# Altium PCB Блок 1а (БУ АРМ).PcbDoc (part 3 of 4)
Units mm, origin at the board's own origin, x right, y up, seen from the top; angles counter-clockwise.
Board outline 220 x 306 mm, 6 copper layers (Top Layer, Top, Internal Plane 1, gnd, Mid-Layer 1, int1, Layer 1, Layer 2, Bottom Layer), stack 2.063 mm thick; 441 components, 363 nets, 1411 pads, 551 vias.
Unrouted connection lines stored in the file: 221.
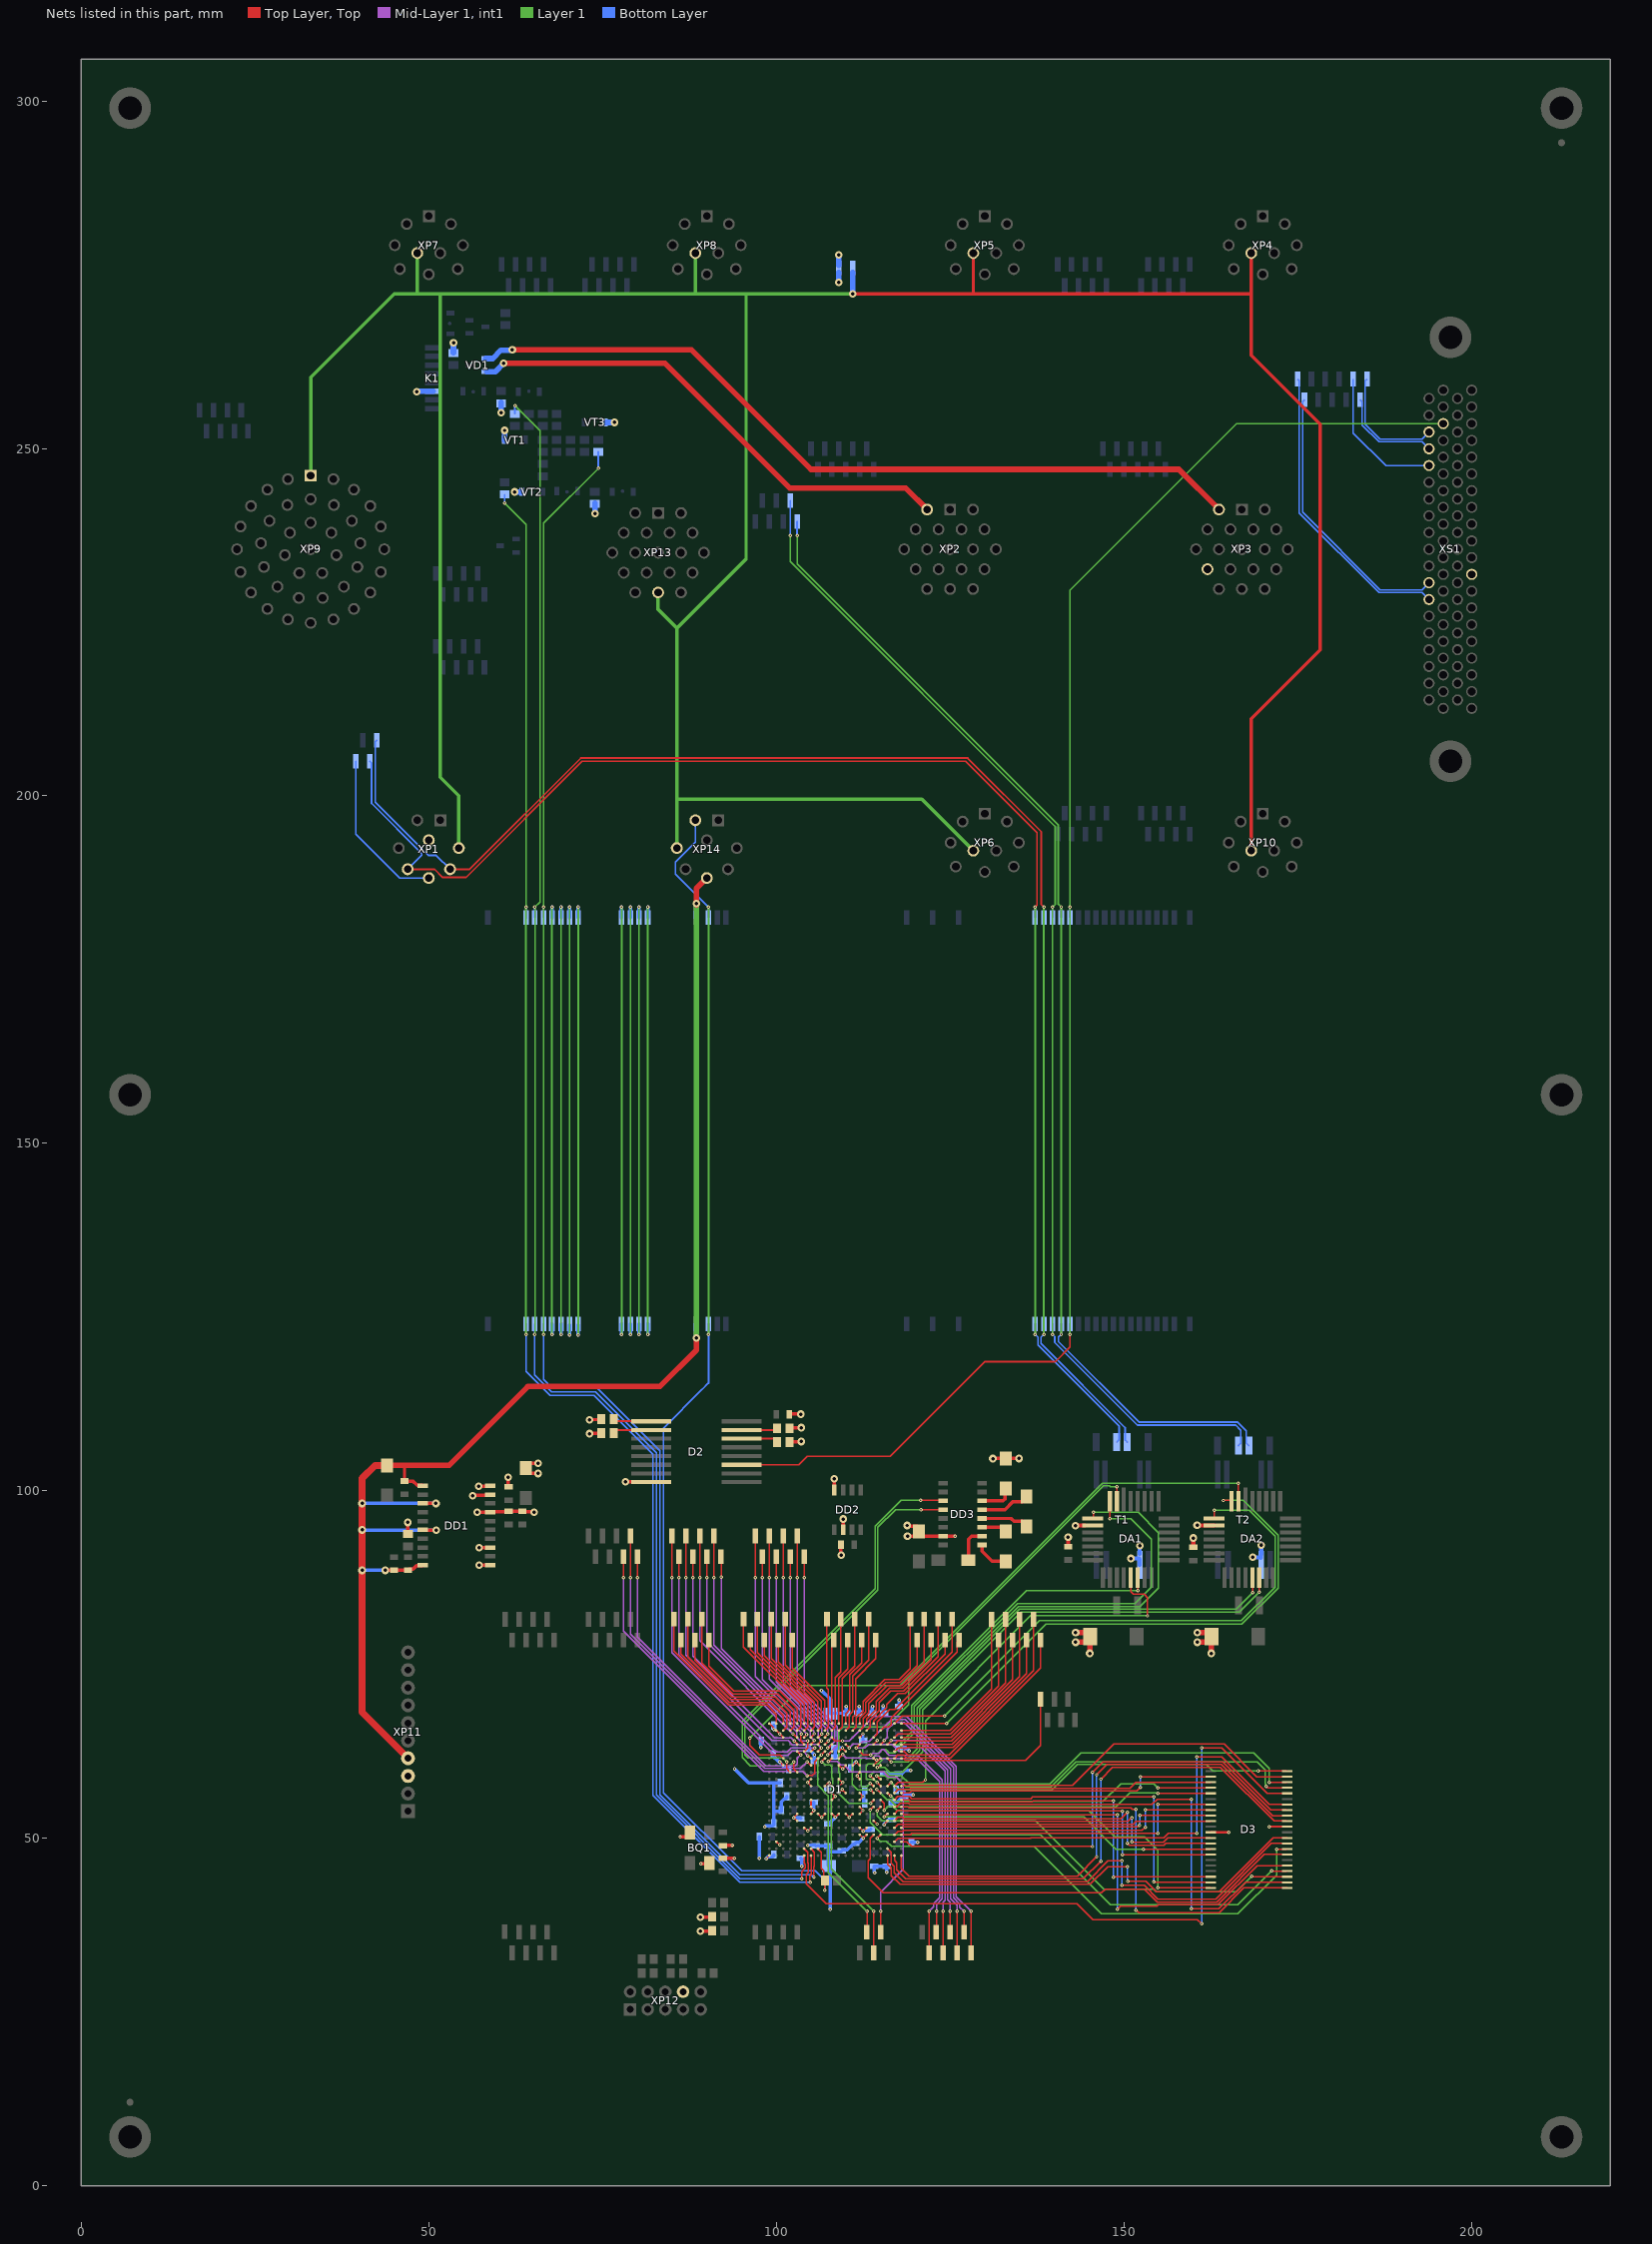
[diagram p7: the nets of this part, all layers, seen from the top]

## Via types
v1: diameter 0.5, hole 0.2, Top Layer, Top to Bottom Layer, tented both sides, 339 vias
v2: diameter 1.1, hole 0.5, Top Layer, Top to Bottom Layer, 100 vias
v3: diameter 0.5, hole 0.2, Top Layer, Top to Bottom Layer, 90 vias
v4: diameter 1.1, hole 0.5, Top Layer, Top to Bottom Layer, tented both sides, 22 vias

## Nets (pads, with @x,y where several pads share a name; then routed paths per layer and width w, separated by ;. In a path a pad name is that pad's centre, name@x,y a point inside that pad or via, vN(x,y) a via of type N, cw(c..) or ccw(c..) an arc to the next point about the centre after c; other vN are vias at no path point) (continued)
ETH_TST_4+: X170.1 XS1.66 | length 43.2
  Bottom Layer w0.2: X170.1@175,260 175.25,259.75 175.25,240.729 186.707,229.272 192.923,229.272 XS1.66@193.925,228.27
ETH_TST_4-: X171.1 XS1.67 | length 39.5
  Bottom Layer w0.2: X171.1@176,257 175.714,256.714 175.714,240.846 186.888,229.672 192.917,229.672 XS1.67@193.925,230.68
EXT_A0: D1.P20 D3.5 | length 71.7
  Top Layer, Top w0.2: D1.P20@118,53.5 118.017,53.483 118.283,53.483 118.408,53.357 v1(149.1,53.357) ; v1(149.1,39.8) 149.5,40.2 154.767,40.2 154.962,40.396 163.527,40.396 169.181,46.05 173.45,46.05 D3.5@173.475,46.075
  Bottom Layer w0.2: v1(149.1,39.8) v1(149.1,53.357)
EXT_A1: D1.N16 D3.4 | length 69.2
  Top Layer, Top w0.2: v1@113.592,54.136 113.614,54.136 113.978,54.5 D1.N16@114,54.5 ; v1(171.3,45.3) 171.325,45.275 D3.4@173.475,45.275
  Layer 1 w0.2: v1(113.525,54.05) 113.525,52.264 115.275,50.515 137.985,50.515 148.1,40.4 166.4,40.4 v1(171.3,45.3)
EXT_A2: D1.N17 D3.3 | length 65.9
  Top Layer, Top w0.2: v1@114.477,53.935 114.477,53.956 115,54.479 D1.N17@115,54.5 ; v1(168.405,44.495) 168.425,44.475 D3.3@173.475,44.475
  Layer 1 w0.2: v1(114.5,53.925) 114.5,53.226 115.21,52.515 137.285,52.515 147.111,42.689 154.318,42.689 154.698,42.309 166.209,42.309 168.395,44.495 v1(168.405,44.495)
EXT_A3: D1.N19 D3.2 | length 74.4
  Top Layer, Top w0.2: D1.N19@117,54.5 117.302,54.5 117.505,54.703 117.505,54.705 117.795,54.995 119.024,54.995 119.169,54.85 154.05,54.85 154.8,55.6 v1(159.7,55.6) ; v1(159.733,39.846) 163.694,39.846 167.524,43.675 173.475,43.675 D3.2@173.5,43.65
  Bottom Layer w0.2: v1(159.7,55.6) 159.716,55.584 159.716,39.862 v1(159.733,39.846)
EXT_A4: D1.N20 D3.1 | length 71.8
  Top Layer, Top w0.2: D1.N20@118,54.5 118.953,54.5 119.053,54.4 151.022,54.4 151.254,54.168 v1(151.72,54.168) ; v1(151.735,39.65) 151.805,39.65 152.159,39.296 163.71,39.296 167.289,42.875 173.475,42.875 D3.1@173.5,42.85
  Bottom Layer w0.2: v1(151.72,54.168) 151.725,54.164 151.725,39.661 v1(151.735,39.65)
EXT_A5: D1.M17 D3.44 | length 57.1
  Top Layer, Top w0.2: D1.M17@115,55.5 115.495,55.005 115.495,53.913 v1@115.5,53.908 ; v1(154.926,42.859) 154.935,42.85 D3.44@162.5,42.85
  Layer 1 w0.2: v1(115.5,54) 116.119,54.619 116.742,54.619 117.454,53.907 144.992,53.907 148.699,50.2 152.971,50.2 154.926,48.245 v1(154.926,42.859)
EXT_A6: D1.M19 D3.43 | length 58.3
  Top Layer, Top w0.2: D1.M19@117,55.5 117.495,55.995 119.155,55.995 119.464,55.686 136.624,55.686 136.888,55.95 v1(154.311,55.95) ; v1(154.3,43.7) 154.325,43.675 162.475,43.675 D3.43@162.5,43.65
  Bottom Layer w0.2: v1(154.3,43.7) 154.35,43.75 154.35,55.911 v1(154.311,55.95)
EXT_A7: D1.M20 D3.42 | length 55.7
  Top Layer, Top w0.2: D1.M20@118,55.5 119.085,55.5 119.335,55.25 136.86,55.25 136.961,55.35 148.446,55.35 v1(148.496,55.4) ; v1(148.5,44.4) 148.525,44.425 162.475,44.425 D3.42@162.5,44.45
  Bottom Layer w0.2: v1(148.496,55.4) 148.5,55.396 v1(148.5,44.4)
EXT_A8: D1.L17 D3.27 | length 50.8
  Top Layer, Top w0.2: v1@114.456,57.044 D1.L17@115,56.5 ; v1(154.926,56.459) 154.935,56.45 D3.27@162.5,56.45
  Layer 1 w0.2: v1(114.475,57) 115.95,55.525 116.402,55.525 117.427,54.5 148.863,54.5 150.863,56.5 154.885,56.5 v1(154.926,56.459)
  Bottom Layer w0.2: v1@114.392,57.108 v1@114.456,57.044
EXT_A9: D1.L18 D3.26 | length 48.4
  Top Layer, Top w0.2: D1.L18@116,56.5 116.022,56.5 116.48,56.041 v1@116.502,56.041 ; v1(154.926,57.259) 154.935,57.25 D3.26@162.5,57.25
  Layer 1 w0.2: v1(116.45,56.075) 117.239,55.286 147.013,55.286 149.577,57.85 154.335,57.85 v1(154.926,57.259)
EXT_A10: D1.L19 D3.25 | length 46.1
  Top Layer, Top w0.2: D1.L19@117,56.5 117.505,57.005 119.1,57.005 119.15,57.055 119.168,57.055 119.299,57.186 150.886,57.186 151.75,58.05 D3.25@162.5,58.05
EXT_A11: D1.L20 D3.24 | length 46.4
  Top Layer, Top w0.2: D1.L20@118,56.5 119.178,56.5 119.464,56.786 151.886,56.786 v1(152.4,57.3) ; v1(152.4,58.8) 152.425,58.825 162.475,58.825 D3.24@162.5,58.85
  Bottom Layer w0.2: v1(152.4,57.3) v1(152.4,58.8)
EXT_A12: D1.K18 D3.22 | length 60.1
  Top Layer, Top w0.2: D1.K18@116,57.5 116.492,57.992 116.492,58.085 v1@116.5,58.093 ; v1(169.317,59.679) 169.332,59.664 173.464,59.664 D3.22@173.47,59.67
  Layer 1 w0.2: v1(116.5,58) 117.517,56.983 139.682,56.983 143.3,60.6 161.897,60.6 162.818,59.679 v1(169.317,59.679)
EXT_A13: D1.K20 D3.21 | length 60
  Top Layer, Top w0.2: D1.K20@118,57.5 119.047,57.5 119.133,57.586 142.632,57.586 148.596,63.55 164.45,63.55 169.15,58.85 D3.21@173.5,58.85
EXT_A14: D1.J16 D3.20 | length 66.4
  Top Layer, Top w0.2: v1(113.5,59.002) D1.J16@114,58.5 ; v1(170.946,58.04) 170.951,58.045 173.445,58.045 D3.20@173.47,58.07
  Layer 1 w0.2: v1(113.5,59.002) 114.018,59.52 115.711,59.52 116.176,59.055 117.909,59.055 119.181,57.783 139.351,57.783 143.835,62.267 168.711,62.267 170.946,60.032 v1(170.946,58.04)
EXT_A15: D1.J17 D3.19 | length 64.8
  Top Layer, Top w0.2: v1(114.442,58.97) 114.486,58.97 114.956,58.5 D1.J17@115,58.5 ; v1(170.478,57.437) 170.559,57.437 170.746,57.25 173.45,57.25 D3.19@173.466,57.266
  Layer 1 w0.2: v1(114.442,58.97) 115.696,58.97 116.011,58.655 117.406,58.655 118.678,57.383 139.516,57.383 143.134,61 169.177,61 170.324,59.853 170.324,57.884 170.421,57.787 170.421,57.494 v1(170.478,57.437)
EXT_A16: D1.U6 D3.18 | length 105
  Top Layer, Top w0.2: D1.U6@104,48.5 104.505,47.995 104.505,46.462 104.6,46.367 104.6,45.068 104.301,44.769 104.301,43.444 107.195,40.55 143.284,40.55 145.534,38.3 160.6,38.3 v1(161.2,37.7) ; v1(161.2,63) 164.137,63 170.667,56.47 D3.18@173.47,56.47
  Bottom Layer w0.2: v1(161.2,37.7) v1(161.2,63)
EXT_D0: D1.S16 D3.7 | length 71.5
  Top Layer, Top w0.2: D1.S16@114,50.5 113.495,49.995 113.495,47.039 113.2,46.744 113.2,44.3 115.35,42.15 146.816,42.15 147.355,42.689 152.934,42.689 154.828,40.796 163.361,40.796 170.216,47.65 D3.7@173.45,47.65
EXT_D1: D1.S17 D3.8 | length 70.2
  Top Layer, Top w0.2: v1@114.536,50.036 D1.S17@115,50.5 ; v1(172,48.4) 172.025,48.425 173.425,48.425 D3.8@173.475,48.475
  Layer 1 w0.2: v1(114.5,50) 114.915,49.585 115.838,49.585 116.623,48.8 137.1,48.8 146.8,39.1 166.4,39.1 172,44.7 v1(172,48.4)
EXT_D2: D1.U18 D3.9 | length 69.8
  Top Layer, Top w0.2: D1.U18@116,48.5 116.495,48.005 116.495,46.387 116.94,45.942 116.94,45.06 118.25,43.75 144.75,43.75 147.75,46.75 149.696,46.75 v1(149.727,46.719) ; v1(149.75,43.25) 152.939,43.25 154.939,41.25 163.25,41.25 171.25,49.25 D3.9@173.5,49.25
  Bottom Layer w0.2: v1(149.727,46.719) 149.739,46.708 149.739,43.261 v1(149.75,43.25)
EXT_D3: D1.V18 D3.10 | length 67.5
  Top Layer, Top w0.2: D1.V18@116,47.5 116,46.277 116.54,45.737 116.54,44.624 117.814,43.35 145.15,43.35 147.7,45.9 v1(150.5,45.9) ; v1(150.56,43.8) 153.207,43.8 154.698,42.309 163.744,42.309 171.484,50.05 D3.10@173.5,50.05
  Bottom Layer w0.2: v1(150.5,45.9) 150.53,45.87 150.53,43.83 v1(150.56,43.8)
EXT_D4: D1.V19 D3.13 | length 75.6
  Top Layer, Top w0.2: D1.V19@117,47.5 117,46.792 117.34,46.452 117.34,45.458 118.647,44.15 144.15,44.15 v1(146.7,46.7) ; v1(146.7,58.5) 148.4,60.2 163.896,60.2 171.622,52.475 D3.13@173.475,52.475
  Bottom Layer w0.2: v1(146.7,46.7) v1(146.7,58.5)
EXT_D5: D1.V20 D3.14 | length 74.3
  Top Layer, Top w0.2: D1.V20@118,47.5 118,45.7 119.15,44.55 143.35,44.55 v1(146.1,47.3) ; v1(146.1,59.1) 147.6,60.6 164.062,60.6 171.412,53.25 D3.14@173.45,53.25
  Bottom Layer w0.2: v1(146.1,47.3) v1(146.1,59.1)
EXT_D6: D1.T20 D3.15 | length 69.9
  Top Layer, Top w0.2: D1.T20@118,49.5 118.015,49.484 118.757,49.484 119.441,48.8 v1(145.5,48.8) ; v1(145.5,59.5) 147,61 164.228,61 171.178,54.05 D3.15@173.45,54.05
  Bottom Layer w0.2: v1(145.5,48.8) v1(145.5,59.5)
EXT_D7: D1.T19 D3.16 | length 70.8
  Top Layer, Top w0.2: D1.T19@117,49.5 117.505,50.005 136.605,50.005 136.65,50.05 155.75,50.05 156.4,50.7 v1(160.5,50.7) ; v1(160.49,61.717) 164.077,61.717 170.944,54.85 D3.16@173.45,54.85
  Bottom Layer w0.2: v1(160.49,61.717) 160.5,61.707 v1(160.5,50.7)
EXT_D8: D1.S20 D3.29 | length 48.7
  Top Layer, Top w0.2: D1.S20@118,50.5 118.017,50.517 119.317,50.517 119.5,50.7 v1(154.9,50.7) ; v1(154.926,54.85) D3.29@162.5,54.85
  Bottom Layer w0.2: v1(154.9,50.7) 154.913,50.713 154.913,54.837 v1(154.926,54.85)
EXT_D9: D1.S19 D3.30 | length 48.4
  Top Layer, Top w0.2: D1.S19@117,50.5 117.505,51.005 118.205,51.005 118.3,51.1 152.601,51.1 153.085,51.584 v1(153.087,51.584) ; v1(153.11,54.057) 153.113,54.054 162.496,54.054 D3.30@162.5,54.05
  Bottom Layer w0.2: v1(153.087,51.584) 153.098,51.596 153.098,54.046 v1(153.11,54.057)
EXT_D10: D1.R20 D3.31 | length 46.1
  Top Layer, Top w0.2: D1.R20@118,51.5 118.051,51.5 118.156,51.605 151.953,51.605 152.193,51.846 v1(152.275,51.846) ; v1(152.323,53.305) 152.351,53.278 162.472,53.278 D3.31@162.5,53.25
  Bottom Layer w0.2: v1(152.275,51.846) 152.299,51.87 152.299,53.281 v1(152.323,53.305)
EXT_D11: D1.R19 D3.32 | length 45.9
  Top Layer, Top w0.2: D1.R19@117,51.5 117.505,52.005 151.359,52.005 151.773,52.419 162.469,52.419 D3.32@162.5,52.45
EXT_D12: D1.Q20 D3.35 | length 48.4
  Top Layer, Top w0.2: D1.Q20@118,52.5 118.036,52.464 118.17,52.464 118.227,52.407 150.6,52.407 151.092,52.9 v1(151.17,52.9) ; v1(151.17,49.5) 151.225,49.445 155.71,49.445 156.316,50.05 D3.35@162.5,50.05
  Bottom Layer w0.2: v1(151.17,49.5) v1(151.17,52.9)
EXT_D13: D1.Q19 D3.36 | length 50.9
  Top Layer, Top w0.2: D1.Q19@117,52.5 117.495,52.995 118.205,52.995 118.392,52.807 149.57,52.807 v1(150.5,53.737) ; v1(150.488,49.297) 150.835,48.95 155.781,48.95 156.081,49.25 D3.36@162.5,49.25
  Bottom Layer w0.2: v1(150.488,49.297) 150.5,49.309 v1(150.5,53.737)
EXT_D14: D1.P18 D3.37 | length 49.6
  Top Layer, Top w0.2: v1(115.5,53.065) 115.532,53.065 115.967,53.5 D1.P18@116,53.5 ; v1(152.8,48.4) 152.825,48.425 162.475,48.425 D3.37@162.5,48.45
  Layer 1 w0.2: v1(115.5,53.065) 115.515,53.05 144.25,53.05 148.9,48.4 v1(152.8,48.4)
EXT_D15: D1.P19 D3.38 | length 52
  Top Layer, Top w0.2: D1.P19@117,53.5 117.495,53.995 118.205,53.995 118.292,53.907 149.752,53.907 v1(149.809,53.85) ; v1(149.802,47.646) 149.804,47.648 162.498,47.648 D3.38@162.5,47.65
  Bottom Layer w0.2: v1(149.802,47.646) 149.806,47.65 149.806,53.847 v1(149.809,53.85)
EXT_GND: X178.1 XS1.74 | length 20.7
  Bottom Layer w0.2: X178.1@183,260 183,252.235 187.735,247.5 XS1.74@193.925,247.5
EXT_RXD: X180.1 XS1.76 | length 17.1
  Bottom Layer w0.2: X180.1@185,260 184.754,259.754 184.754,253.496 186.888,251.362 192.917,251.362 XS1.76@193.925,252.37
Ext_SWT_RS232_Rx: D2.11 N45.1 N46.1 XS1.57 | length 229.8
  Top Layer, Top w0.25: D2.11@95.025,103.75 103.25,103.75 104.449,104.949 116.375,104.949 129.994,118.568 140.135,118.568 142.25,120.683 v3(142.25,122.5)
  Layer 1 w0.25: v3(142.25,122.5) v3(142.25,184) 142.25,229.6 166.225,253.575 XS1.57@195.975,253.575
  Bottom Layer w0.25: v3(142.25,122.5) N46.1@142.25,124 ; N45.1@142.25,182.5 v3(142.25,184)
EXT_TXD: X179.1 XS1.75 | length 14.8
  Bottom Layer w0.2: X179.1@184,257 184.3,256.7 184.3,255.935 184.302,255.933 184.302,253.367 186.707,250.962 192.923,250.962 XS1.75@193.925,249.96
GND: BQ1.2 BQ1.4 C1.2 C2.2 C4.2 C5.2 C7.2 C8.2 C10.2 C11.2 C13.2 C14.2 C16.2 C17.2 C19.2 C20.2 C22.2 C23.2 C25.2 C26.2 C28.2 C29.2 C30.2 C32.2 C33.2 C35.2 C36.2 C38.2 C39.2 C41.2 C43.2 C44.2 C46.2 C48.2 C50.2 C53.2 C56.2 C58.2 C59.2 C61.2 C62.2 C64.2 C65.2 C67.2 C70.2 C73.2 C76.2 C79.2 C82.2 C96.2 C97.2 C98.2 C99.2 C100.2 C101.2 C102.1 C104.2 C106.2 C112.2 C113.2 C114.2 D1.A1 D1.B2 D1.C3 D1.C14 D1.D16 D1.E11 D1.E12 D1.F16 D1.F17 D1.G3 D1.G11 D1.G12 D1.G13 D1.G14 D1.G16 D1.H14 D1.J7 D1.J11 D1.J14 D1.K7 D1.K9 D1.K10 D1.K11 D1.L10 D1.L11 D1.L12 D1.L14 D1.M7 D1.M10 D1.M14 D1.N7 D1.N14 D1.P5 D1.P7 D1.P8 D1.P9 D1.P10 D1.P11 D1.P12 D1.P13 D1.P14 D1.Q5 D1.Q16 D1.Q18 D1.R6 D1.R7 D1.R14 D1.R15 D1.S14 D1.S15 D1.T2 D1.V1 D2.8 D3.12 D3.34 DA1.5 DA2.5 DD1.1 DD1.3 DD1.7 DD1.9 DD1.10 DD2.2 DD2.8 DD3.15 K1.B N3.1 N4.1 N5.1 N6.1 N7.1 N8.1 N9.1 N10.1 N11.1 N12.1 N39.1 N40.1 N41.1 N42.1 N43.1 N44.1 R3.2 R8.2 R9.2 R10.2 R11.2 R13.1 R14.1 R24.2 R25.2 R26.2 VT1.1 VT2.1 VT3.1 X225.1 XP1.H XP3.J XP11.3 XP12.8 XS1.9 Т1.2 Т2.2 | length 744.1
  Top Layer, Top w0.25: v1(98.53,47.03) D1.V1@99,47.5 ; D1.A1@99,66.5 99.569,65.931 99.569,65.795 99.621,65.743 v1(99.621,65.675) ; D1.T2@100,49.5 100.025,49.5 100.475,49.05 v1(100.5,49.05) ; D1.B2@100,65.5 D1.C3@101,64.5 ; v1(100.5,61) D1.G3@101,60.5 ; D1.Q5@103,52.5 102.53,52.97 102.53,53 103,53.47 D1.P5@103,53.5 ; D1.R6@104,51.5 104.038,51.5 104.509,51.029 v1(104.55,51.029) ; v1@104.53,51.03 D1.R7@105,51.5 ; D1.N7@105,54.531 105,54.462 105.414,54.048 v1(105.414,54) ; D1.K7@105,57.5 105,57.53 104.53,58 104.53,58.03 D1.J7@105,58.5 ; D1.P7@105.031,53.53 105.027,53.534 105.027,53.565 105.447,53.985 v1@105.516,53.985 ; D1.P8@106,53.5 106.007,53.5 106.507,53 v1(106.514,53) ; v1@106.5,53.03 106.53,53.03 D1.P9@107,53.5 ; D1.K9@107,57.5 107.42,57.92 107.56,57.92 v1(107.607,57.968) ; v1@107.614,57.968 107.614,57.924 108,57.538 D1.K10@108,57.5 ; D1.P10@108,53.5 108.03,53.5 108.5,53.03 108.53,53.03 D1.P11@109,53.5 ; D1.M10@108,55.5 108,55.53 108.47,56 108.47,56.03 D1.L10@108,56.5 ; D1.L11@109,56.5 109.47,56.97 109.5,56.97 109.97,56.5 D1.L12@110,56.5 ; D1.K11@109,57.5 109.038,57.5 109.538,58 v1(109.577,58) ; D1.J11@109,58.5 109.47,58.03 v1@109.47,58 ; D1.G11@109,60.5 109.003,60.5 109.539,59.963 v1(109.542,59.963) ; D1.E11@109,62.5 109.012,62.5 109.512,63 v1(109.524,63) ; v1@109.5,62.97 109.97,62.5 D1.E12@110,62.5 ; v1@109.609,60.071 110,60.462 D1.G12@110,60.5 ; D1.P12@110,53.5 110.03,53.5 110.5,53.03 110.53,53.03 D1.P13@111,53.5 ; D1.G13@111,60.5 111.013,60.5 111.487,60.973 v1(111.5,60.973) ; v1@111.5,60.97 111.97,60.5 D1.G14@112,60.5 ; v1@111.563,59.035 111.641,59.035 111.684,59.077 111.684,59.146 112,59.462 D1.H14@112,59.5 ; v1(111.636,58.962) 111.636,58.902 112,58.538 D1.J14@112,58.5 ; D1.S14@112,50.5 112.03,50.5 112.5,50.03 112.53,50.03 D1.S15@113,50.5 ; D1.R14@112,51.5 112.03,51.5 112.5,51.03 112.53,51.03 D1.R15@113,51.5 ; D1.P14@112,53.5 112,53.53 v1(112.47,54) 112.47,54.03 D1.N14@112,54.5 ; D1.M14@112,55.5 112,55.53 v1(112.47,56) 112.47,56.03 D1.L14@112,56.5 ; D1.C14@112,64.5 v1@112.47,64.97 ; D1.Q16@114,52.5 114.033,52.5 114.5,52.034 v1(114.534,52.034) ; D1.G16@114,60.5 114,60.512 114.425,60.937 114.425,60.95 ; D1.F16@114,61.5 v1@114.47,61.03 ; D1.D16@114,63.5 114,63.525 114.5,64.025 v1(114.5,64.05) ; v1@114.325,61.174 114.421,61.27 v1(114.429,61.27) ; 114.47,61 v1@114.47,61.03 ; D1.F17@115,61.5 114.97,61.5 114.5,61.03 v1@114.47,61.03 ; v1(115.5,51.954) 115.5,51.977 116,52.477 D1.Q18@116,52.5
  Top Layer, Top w0.3: D1.N7@105,54.5 105,54.531 D1.M7@105,55.5 ; D3.34@162.5,50.85 165.092,50.85 v1(165.097,50.845) ; v1@170.908,51.65 D3.12@173.5,51.65
  Top Layer, Top w0.5: v2(46.955,95.44) 46.978,95.418 46.978,93.772 R3.2@47,93.75 ; v2(56.315,99.267) 56.419,99.37 58.775,99.37 DD1.9@58.85,99.445 ; v2(56.975,96.905) DD1.7@58.85,96.905 58.921,96.976 61.393,96.976 C97.2@61.464,97.047 C102.1@63.464,97.047 C102.1@63.726,97.047 ; v2(57.195,100.646) 57.229,100.681 58.816,100.681 DD1.10@58.85,100.715 ; v2(57.221,91.833) 57.225,91.829 58.68,91.829 DD1.3@58.692,91.84 ; v2@57.263,89.291 57.266,89.288 58.729,89.288 DD1.1@58.732,89.291 ; C104.2@61.395,100.941 61.395,101.93 v2(61.428,101.963) ; C102.1@63.658,97.116 C102.1@63.726,97.047 ; C106.2@63.864,102.49 v2(65.739,102.49) ; C106.2@63.864,103.947 v2(65.739,103.947) ; v2(65.136,96.915) 65.07,96.981 63.793,96.981 C102.1@63.726,97.047 ; v2(73.103,108.222) 73.122,108.24 R9.2@74.606,108.24 ; v2(73.103,110.222) 73.122,110.24 R10.2@74.606,110.24 ; v2(78.287,101.272) 78.306,101.291 D2.8@79.79,101.291 ; v1(86.168,50.169) 87.042,50.169 87.542,50.669 BQ1.2@87.542,50.836 ; v2(89.053,36.613) 89.072,36.631 R14.1@90.556,36.631 ; v2(89.053,38.613) 89.072,38.631 R13.1@90.556,38.631 ; v1(89.166,46.294) 90.2,46.294 BQ1.4@90.342,46.436 ; C28.2@92.292,47.136 93.935,47.136 v1(93.937,47.134) ; C44.2@92.292,48.936 92.365,49.009 v1(93.645,49.009) ; R8.2@102.094,107.069 103.578,107.069 v2(103.597,107.087) ; R11.2@102.094,109.069 103.578,109.069 v2(103.597,109.087) ; C112.2@102.294,111.069 103.465,111.069 v2(103.504,111.03) ; v2(108.325,101.738) 108.337,101.726 108.337,100.12 DD2.8@108.349,100.108 ; C96.2@109.304,92.251 109.304,90.766 v2(109.323,90.748) ; DD2.2@109.619,94.393 109.63,94.404 109.63,95.92 v2(109.641,95.931) ; v2(118.845,95.008) 118.953,94.9 120.25,94.9 C114.2@120.375,94.775 ; v2(118.872,93.456) 118.891,93.475 C114.2@120.375,93.475 ; C114.2@120.5,94.15 120.5,94.073 121.1,93.473 DD3.15@124.014,93.473 ; DD3.15@124.018,93.478 v1(125.717,93.478) ; v2(131.159,104.63) 131.179,104.65 C113.2@133,104.65 134.932,104.65 v2(134.942,104.64) ; C100.2@145.1,78.95 C100.2@145.15,79 ; C101.2@162.6,78.95 C101.2@162.65,79
  Top Layer, Top w0.6: C98.2@142,91.95 v2(142,93.3) ; v2(143.05,94.99) DA1.5@144.4,94.99 ; C99.2@160,91.85 v2(160,93.2) ; v2@160.573,95 DA2.5@163,95
  Top Layer, Top w0.8: v2(143.075,78.2) C100.2@145.15,78.2 ; v2(143.075,79.6) C100.2@145.15,79.6 ; v2(145.1,76.6) C100.2@145.1,78.95 ; v2(160.575,78.2) C101.2@162.65,78.2 ; v2(160.575,79.6) C101.2@162.65,79.6 ; v2(162.6,76.6) C101.2@162.6,78.95
  Layer 1 w0.25: v3@67.7,184 67.7,122.5 67.7,122.45 67.75,122.45 v3(67.75,122.5) ; v3(69,184) 69.029,183.971 69.029,122.511 v3(69.057,122.483) ; v3(70.226,122.442) 70.25,122.466 v3(70.25,184) ; v3(71.506,122.434) 71.503,122.437 71.503,183.896 v3@71.579,183.971 ; v3(77.75,122.5) v3(77.75,184) ; v3(79,122.5) v3(79,184) ; v3(80.25,122.5) v3(80.25,184) ; v3(81.5,122.5) v3(81.5,184)
  Bottom Layer w0.5: N39.1@67.7,124 67.75,123.95 v3(67.75,122.5) ; N8.1@67.75,182.5 v3(67.75,184) ; N9.1@69,182.5 v3(69,184) ; N40.1@69.05,124 69.057,123.993 v3(69.057,122.483) ; v3(70.226,122.442) N3.1@70.226,123.876 ; N10.1@70.25,182.5 v3(70.25,184) ; N11.1@71.5,182.5 v3(71.5,184) ; v3(71.506,122.434) N4.1@71.506,123.891 ; v3(77.75,122.5) N41.1@77.75,124 ; N7.1@77.75,182.5 v3(77.75,184) ; v3(79,122.5) N42.1@79,124 ; N12.1@79,182.5 v3(79,184) ; v3(80.25,122.5) N43.1@80.25,124 ; N6.1@80.25,182.5 v3(80.25,184) ; v3(81.5,122.5) N44.1@81.5,124 ; N5.1@81.5,182.5 v3(81.5,184) ; v1(94,60) 96.014,57.986 99.514,57.986 ; v1(97.537,47.116) 97.542,47.121 C64.2@97.542,50.236 ; v1(97.796,63.051) 97.796,63.977 C76.2@97.854,64.036 ; v1(98.361,51.65) 98.497,51.786 99.494,51.786 99.644,51.936 C62.2@99.644,52.136 99.644,53.851 ; v1(98.53,47.03) 98.801,47.301 99.494,47.301 99.644,47.451 C10.2@99.644,47.651 ; C73.2@99.542,61.936 99.542,61.736 99.692,61.586 99.804,61.586 v1@100.445,60.945 ; v1(99.621,65.675) 99.621,66.215 C56.2@99.644,66.239 ; v1(100.5,61) 100.5,60.89 101.11,60.28 101.617,60.28 C59.2@101.617,59.846 ; C41.2@100.6,57.986 99.514,57.986 ; C35.2@101.5,56.036 101.5,55.836 101.35,55.686 101.15,55.686 100.7,55.236 100.7,53.851 99.644,53.851 ; v1(102.5,52.95) 103.428,52.95 C61.2@103.492,52.886 ; C67.2@103.492,47.136 103.5,47.136 103.65,46.986 v1(103.65,45.965) ; v1@104.574,49.016 105.563,49.016 C4.2@105.692,48.886 ; C65.2@104.624,63.261 104.774,63.111 104.774,62.736 104.974,62.536 v1@105.5,62.01 ; C33.2@105.392,55.186 105.414,55.164 v1(105.414,54) ; C30.2@105.492,61.086 v1@105.492,62.01 ; C4.2@105.942,48.886 C7.2@107.492,48.886 107.492,48.053 ; v1(106.5,71.25) 107.81,69.94 C2.2@107.81,67.924 107.872,67.986 C70.2@110.092,67.986 110.092,68.886 v1(110.042,68.936) ; C36.2@107.492,52.086 107.692,52.086 107.842,52.236 107.842,52.342 v1@108.53,53.03 ; C39.2@107.492,57.086 107.607,57.201 v1(107.607,57.968) ; v1(107.75,39.75) 107.75,45.85 C1.2@107.6,46 107.492,46.108 107.492,48.053 ; C8.2@108.492,61.697 C48.2@108.492,63.086 108.578,63 v1(109.524,63) ; C5.2@109.392,48.186 109.259,48.053 107.492,48.053 ; C5.2@109.542,48.336 110.233,48.336 111.033,49.136 111.242,49.136 111.542,49.436 111.936,49.436 v1@112.53,50.03 ; C22.2@110.686,60.054 110.686,60.254 111.405,60.973 v1(111.5,60.973) ; C13.2@111.792,67.986 111.942,68.136 v1(111.942,68.936) ; v1@112.47,64.97 112.47,64.099 C43.2@112.521,64.048 ; v1@112.53,51.03 112.636,51.136 113.442,51.136 C25.2@113.592,51.286 ; C11.2@112.746,55.036 112.612,55.17 112.612,56.815 C14.2@112.746,56.949 ; C26.2@113.792,67.986 113.792,68.886 v1(113.842,68.936) ; v1(114.15,45.036) 114.092,45.094 C82.2@114.092,45.986 C50.2@115.892,45.986 v1(115.892,45.086) ; v1(115.352,69.061) 115.352,68.136 115.502,67.986 C20.2@115.542,67.986 ; v1(115.5,51.954) 115.5,52.044 116.015,52.559 116.379,52.559 C53.2@116.679,52.859 ; C46.2@115.542,59.276 C17.2@117.628,59.276 ; C19.2@116.542,55.036 116.542,55.047 116.692,55.197 117.403,55.197 C58.2@118.042,55.836 ; C16.2@117.242,56.936 118.099,56.936 118.392,56.643 118.392,56.236 ; C23.2@117.652,69.346 v1(117.652,69.899) ; C17.2@118.028,59.276 118.532,59.78 v1(119.354,59.78) ; C38.2@118.028,63.086 118.639,63.086 119.129,62.596 v1(119.129,62.545) ; C58.2@118.392,55.686 118.392,56.236 ; C79.2@119.392,49.436 v1(120.342,49.436) ; v1(119.692,56.236) 118.392,56.236 ; 99.514,57.986 99.644,57.856 99.644,53.851